# Altium PCB MB1936.PcbDoc (part 3 of 13) (continued)
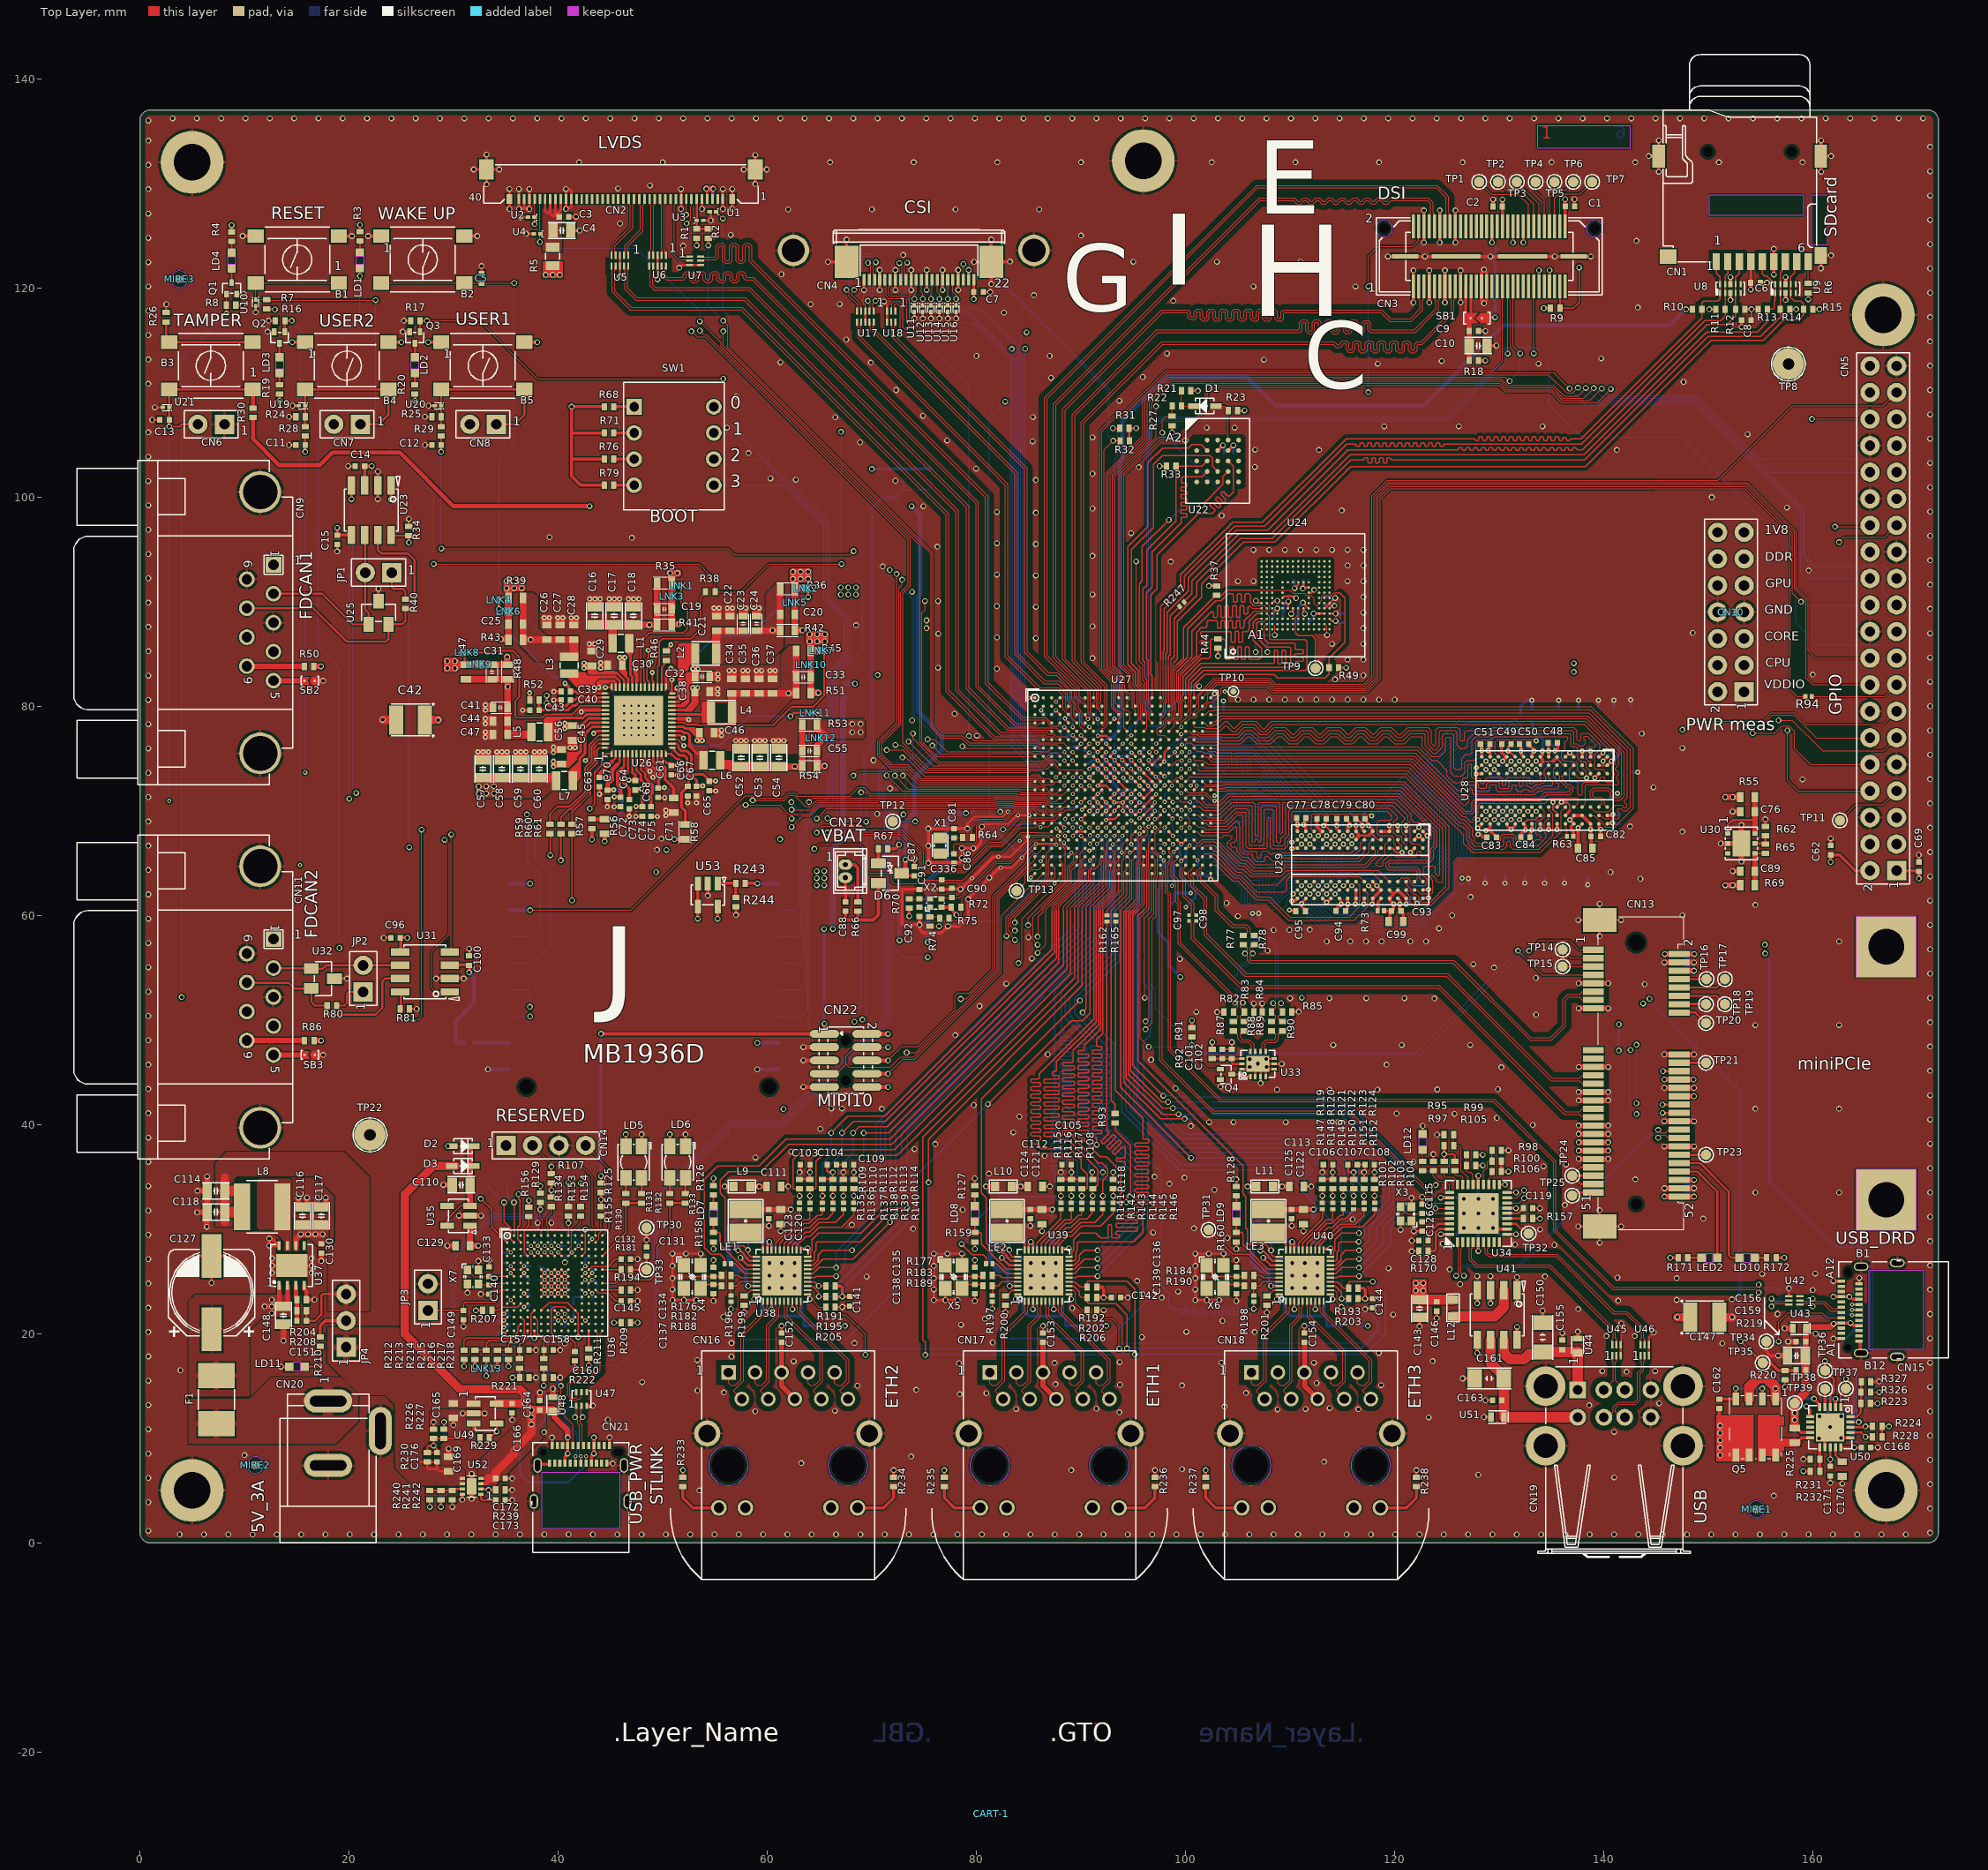
[diagram p0: Top Layer view]
## Footprints (in the part's own frame and the unit in brackets; to place one, negate y for a bottom-side part, rotate by r counter-clockwise, add the part's x,y. Pads: shape width x height; smd on the part's side, far side on the other; paste and mask are expansions set on the pad) (continued)
  body extent -0.85,-0.45 0.85,0.45, height 0.8
LED_0603_VISHAY_VLMS1300-GS08_RED_1A2K_H0P8 [mm]
  rect 0.8x0.8 smd mask+0.05: 1(-0.75,0) 2(0.75,0)
  Top Layer keep-out region: -0.35,-0.399 0.35,-0.399 0.35,0.401 -0.35,0.401
  body extent -0.85,-0.45 0.85,0.45, height 0.8
LED_BI-GR_WE-150141SV73110 [mm] "MCD-02631"
  rect 1.1x1.5 smd mask+0.05: 1(-0.75,1.5) 2(0.75,1.5) 3(-0.75,-1.5) 4(0.75,-1.5)
  silkscreen extent -1.65,-1.85 1.5,1.7, body extent -1.5,-1.85 1.5,1.85, height 2.1
LINK200#1 [mm]
  rect 0.2x0.35 smd paste-10 mask+0.05: 1(0,-0.225) 2(0,0.225)
LINK200#2 [mm]
  rect 0.8x0.35 smd paste-10 mask+0.05: 1(0,-0.225) 2(0,0.225)
MIRE_PLACE_SMD_0P8MM [mm]
  round 0.8 smd paste-10 mask+0.2: 1(0,0)
  Top Layer keep-out circle w0.01: c0,0 r0.804
MOS_SC89-3L [mm] "MCD-02221"
  rect 0.46x0.65 smd mask+0.05: 1(-0.5,-0.55) 2(0.5,-0.55) 3(0,0.55)
  silkscreen extent -0.85,-0.48 0.85,0.48, body extent -0.85,-0.85 0.85,0.85, height 0.85
MOS_SOT23-5L [mm]
  rect 0.6x1.3 smd mask+0.05: 1(-0.95,-1.1) 2(0,-1.1) 3(0.95,-1.1) 4(0.95,1.1) 5(-0.95,1.1)
  silkscreen extent -1.6,-0.95 1.6,0.97, body extent -1.52,-1.25 1.52,1.25, height 1.45
PowerFLAT_5x6 [mm] "MCD-02152"
  rect 0.65x1.25 smd mask+0.05: 1(1.905,2.675) 2(0.635,2.675) 3(-0.635,2.675) 4(-1.905,2.675) 5(-1.905,-2.675) 6(-0.635,-2.675) 7(0.635,-2.675) 8(1.905,-2.675)
  Top Layer region: 0.2,-3.3 0.95,-3.3 0.95,-2.75 1.575,-2.75 1.575,-3.3 2.3,-3.3 2.3,-2.3 2.7,-2.3 2.7,-1.5 2.3,-1.5 2.3,0.15 2.7,0.15 2.7,0.975 2.3,0.975 2.3,1.15 0.2,1.15
  Top Layer region: -0.2,-3.3 -0.95,-3.3 -0.95,-2.75 -1.575,-2.75 -1.575,-3.3 -2.3,-3.3 -2.3,-2.3 -2.7,-2.3 -2.7,-1.5 -2.3,-1.5 -2.3,0.15 -2.7,0.15 -2.7,0.975 -2.3,0.975 -2.3,1.15 -0.2,1.15
  silkscreen extent -2.5,-3 2.5,3, body extent -2.6,-3.08 2.6,3.07, height 1
PTC_BEL-FUSE_1812_0ZCG0260FF2C [mm]
  rect 2.4x3.5 smd mask+0.05: 1(-2.3,0) 2(2.3,0)
  silkscreen extent -1,-1.73 1,1.73, body extent -2.36,-1.71 2.36,1.71, height 1.2
R0201_H0P23 [mm] "MCD-00702"
  rect 0.4x0.5 smd mask+0.05: 1(-0.3,0) 2(0.3,0)
  body extent -0.32,-0.17 0.32,0.17, height 0.26
R0402 [mm]
  rect 0.51x0.7 smd mask+0.05: 1(-0.45,0) 2(0.45,0)
  body extent -0.52,-0.3 0.52,0.3, height 0.4
R0603 [mm]
  rect 0.64x1 smd mask+0.05: 1(-0.7,0) 2(0.7,0)
  silkscreen extent -1.05,-0.58 1.05,0.58, body extent -0.9,-0.5 0.9,0.5, height 0.56
R0805 [mm]
  rect 0.85x1.3 smd mask+0.05: 1(-0.875,0) 2(0.875,0)
  silkscreen extent -0.33,-0.67 0.33,0.67, body extent -1.05,-0.68 1.05,0.68, height 0.65
Sheetbox_6L2S [mil] "Sheetbox 6 layers / 2 silkscreens"
  round 20 on Mech16: 1(813.5,208.05) 1(2736.63,208.05)
SOCKET_MIKROBUS_MIKROE-4319_SMD_P254 [mm] "MCD-03517"
  round 0 hole 1.4 unplated mask+0.05: 0(-12,-10.55) 0(11.2,-10.55)
  rrect20% 3x1.3 smd mask+0.05: 1(-12.88,8.89) 2(-12.88,6.35) 3(-12.88,3.81) 4(-12.88,1.27) 5(-12.88,-1.27) 6(-12.88,-3.81) 7(-12.88,-6.35) 8(-12.88,-8.89) 9(12.88,-8.89) 10(12.88,-6.35) 11(12.88,-3.81) 12(12.88,-1.27) 13(12.88,1.27) 14(12.88,3.81) 15(12.88,6.35) 16(12.88,8.89)
  silkscreen extent -12.7,-12.72 12.7,10.16, body extent -13.72,-12.72 13.74,10.18, height 11.02
SOLDER-BRIDGE_R0402-0R [mil] "MCD-01619"
  round 10 smd paste-393.7: 1(-17.72,0) 2(20.67,0)
  Top Layer region: 1.48,13.78 8.37,0 1.48,-13.78 30.51,-13.78 30.51,13.78
  Top Layer region: -30.51,-13.78 -30.51,13.78 -8.37,13.78 -1.48,0 -8.37,-13.78
  silkscreen extent -33,-17 33,17, body extent -20,-12 20,12, height 14
SOLDER-BRIDGE_R0603-0R [mil]
  round 10 smd paste-393.7: 1(-19.68,0) 2(23.62,0)
  Top Layer region: -47.24,-19.68 -47.24,19.68 -15.75,19.68 3.94,0 -15.75,-19.68 -47.24,-19.68
  Top Layer region: -5.91,19.68 13.78,0 -5.91,-19.68 47.24,-19.68 47.24,19.68 -5.91,19.68
  silkscreen extent -50,-23 50,23, body extent -36,-20 36,20, height 22
SWI_GRAYHILL-INC_76SB04ST [mm] "MCD-02256"
  rect 1.5x1.5 hole 0.9 mask+0.05: 1(-3.75,-3.81)
  round 1.5 hole 0.9 mask+0.05: 2(-1.25,-3.81) 3(1.25,-3.81) 4(3.75,-3.81) 5(3.75,3.81) 6(1.25,3.81) 7(-1.25,3.81) 8(-3.75,3.81)
  silkscreen extent -6.1,-4.82 6.1,4.82, body extent -6.1,-4.83 6.1,4.82, height 6.9
SWI_KNITTER_TSS644S [mm] "MCD-02417"
  rect 1.55x1.3 smd mask+0.05: 1(-3.975,2.25) 2(3.975,2.25) 3(-3.975,-2.25) 4(3.975,-2.25)
  silkscreen extent -3.1,-3.1 3.1,3.1, body extent -4.5,-3.1 4.5,3.1, height 7.3
TP_PTH-1P02MM_TEST-TERMINAL_RS_101-2391_BLACK [mm] "MCD-00713"
  round 3 hole 1.1 mask+0.05: 1(0,0)
  silkscreen extent -1.62,-1.63 1.62,1.63, body extent -1.24,-1.25 1.25,1.25, height 4.85
TP_SMD_0-6MM [mm]
  round 0.6 smd paste-10 mask+0.05: 1(0,0)
  silkscreen extent -0.5,-0.5 0.5,0.5
TP_SMD_1MM [mm]
  round 1 smd paste-10 mask+0.05: 1(0,0)
  silkscreen extent -0.7,-0.7 0.7,0.7

## Part data
B1 B4 B5: library part MCD-02417, "Push Button, NO, 0.05A, 12V, 2.6N, SMD, 9.0x6.2mm, T=7.3mm, changeable caps KTSC-6xx", Alternate_Manufacturer=N/A, Manufacturer=KNITTER-SWITCH, Manufacturer_Part_Number=TSS644S, Package=9.0x6.2mm, Alternate_Manufacturer_Part_Number=N/A, Component_Country_Of_Origin=China, ComponentLink1URL=http://tunmcdsvn.tun.st.com/Component_Documentation_Library/Trunk/Misc/KNITTER_TSS6x_Series, ID=4523, Internal_Part_Number=MCD-02417, Order_Code_Digikey=N/A, Order_Code_Farnell=N/A, Order_Code_RS=N/A, Part_Preference=Recommended, Part_Type=Misc, ShowFields=YES, Status=Released
B2 B3: library part MCD-02417, "Push Button, NO, 0.05A, 12V, 2.6N, SMD, 9.0x6.2mm, T=7.3mm, changeable caps KTSC-6xx", Manufacturer=KNITTER-SWITCH, Manufacturer_Part_Number=TSS644S, Package=9.0x6.2mm, Component_Country_Of_Origin=China, ComponentLink1URL=http://tunmcdsvn.tun.st.com/Component_Documentation_Library/Trunk/Misc/KNITTER_TSS6x_Series, ID=4523, Internal_Part_Number=MCD-02417, Order_Code_Digikey=N/A, Order_Code_Farnell=N/A, Order_Code_RS=N/A, Part_Preference=Recommended, Part_Type=Misc, ShowFields=YES, Status=Released
C1 C2 C3 C9 C174: library part MCD-02352, "Capacitor, MLCC, 100nF, 10V, X5R, +/-10%, 0402, T=0,5mm", Manufacturer=YAGEO, Manufacturer_Part_Number=CC0402KRX5R6BB104, Package=0402, Component_Country_Of_Origin=China, ComponentLink1URL=http://tunmcdsvn.tun.st.com/Component_Documentation_Library/Trunk/Capacitor/YAGEO_X5R_Series, ID=4458, Internal_Part_Number=MCD-02352, Order_Code_Digikey=311-1336-2-ND, Order_Code_Farnell=2370637, Order_Code_RS=N/A, Part_Preference=Recommended, Part_Type=Capacitor, ShowFields=YES, Status=Checked
C4 C10 C143: library part MCD-00204, "Capacitor, MLCC, 47uF, 10V, X5R, +/-20%, 0805, T=1.25mm", Manufacturer=MURATA, Manufacturer_Part_Number=GRM21BR61A476ME15K, Package=0805, Component_Country_Of_Origin=Japan, ComponentLink1URL=http://tunmcdsvn.tun.st.com/Component_Documentation_Library/Trunk/Capacitor/MURATA_GRM_Series, ID=2664, Internal_Part_Number=MCD-00204, Order_Code_Digikey=GRM21BR61A476ME15K-ND, Order_Code_Farnell=N/A, Order_Code_RS=N/A, Part_Preference=Recommended, Part_Type=Capacitor, ShowFields=YES, Status=Checked
C5 C157 C158 C173: library part MCD-02198, "Capacitor, MLCC, 10nF, 50V, X7R, +/-10%, 0402, T=0.5mm", Manufacturer=YAGEO, Manufacturer_Part_Number=CC0402KRX7R9BB103, Package=0402, Component_Country_Of_Origin=China, ComponentLink1URL=http://tunmcdsvn.tun.st.com/Component_Documentation_Library/Trunk/Capacitor/YAGEO_X7R_Series, ID=4298, Internal_Part_Number=MCD-02198, Order_Code_Digikey=N/A, Order_Code_Farnell=N/A, Order_Code_RS=6169644, Part_Preference=Recommended, Part_Type=Capacitor, ShowFields=YES, Status=Checked
C6: library part MCD-01356, "Capacitor, MLCC, 4.7uF, 6V3, X5R, 20%, 0402, T=0,5mm", Alternate_Manufacturer=MURATA, Alternate_Manufacturer_Part_Number=GRM155R60J475ME87, Manufacturer_Part_Number=GRM155R60J475ME47, Package=0402, Component_Country_Of_Origin=Japan, ComponentLink1Description=Datasheet, ComponentLink1URL=http://tunmcdsvn.tun.st.com/Component_Documentation_Library/Trunk/Capacitor/MURATA_GRM_Series, ECCN_EU=NEC, ECCN_US=EAR99, ID=3456, Internal_Part_Number=MCD-01356, Manufacturer=MURATA, Order_Code_Digikey=490-5915-1-ND, Order_Code_Farnell=2666407, Order_Code_RS=814-5230, Part_Preference=Recommended, Part_Type=Capacitor, Provided_By=SUBCO, ShowFields=YES, Status=Released
C7: library part MCD-00095, "Capacitor, MLCC, 1uF, 25V, X5R, +/-10%, 0402, T=0,5mm", Alternate_Manufacturer=MURATA, Alternate_Manufacturer_Part_Number=GRM155R60J105KE19, Manufacturer_Part_Number=GRM155R61E105KA12, Package=C0402, ComponentLink1Description=Datasheet, ComponentLink1URL=http://tunmcdsvn.tun.st.com/Component_Datasheet_Library/Trunk/Capacitors/Murata_Capacitor_GR_series, Internal_Part_Number=MCD-00095, Manufacturer=MURATA, Order_Code_Digikey=490-10017-1-ND, Order_Code_Farnell=2218855, Order_Code_RS=846-7287, Part_Preference=Recommended, Part_Type=Capacitor, Status=Released
C8 C11 C12 C48 C49 C50 C51 C77 C78 C79 C80 C82 C83 C84 C93 C94 C95 C177 C179 C182 C184 C185 C186 C187 C189 C198 C202 C211 C226 C238 C239 C245 C247 C255 C256 C257 C258 C259 C261 C262 C264: library part MCD-00006, "Capacitor, MLCC, 100nF, 16V, X7R, +/-10%, 0402, T=0.5mm", Alternate_Manufacturer=MURATA, Alternate_Manufacturer_Part_Number=GCM155R71C104KA55D, Manufacturer=YAGEO, Manufacturer_Part_Number=CC0402KRX7R7BB104, Package=0402, ComponentLink1Description=Datasheet, ComponentLink1URL=http://tunmcdsvn.tun.st.com/Component_Documentation_Library/Trunk/Capacitor/YAGEO_X7R_Series, Internal_Part_Number=MCD-00006, Order_Code_Digikey=311-1338-1-ND, Order_Code_Farnell=9402047, Order_Code_RS=616-9701, Part_Preference=Recommended, Part_Type=Capacitor, Status=Released
  C8 C11 C12 C177 C179 C182: Component_Country_Of_Origin=China, ID=2474, ShowFields=YES
C13: library part MCD-00198, "Capacitor, MLCC, 1nF, 16V, X7R, +/-10%, 0402, T=0.5mm", Manufacturer=YAGEO, Manufacturer_Part_Number=CC0402KRX7R7BB102, Package=0402, Component_Country_Of_Origin=China, ComponentLink1URL=http://tunmcdsvn.tun.st.com/Component_Documentation_Library/Trunk/Capacitor/YAGEO_X7R_Series, ID=2665, Internal_Part_Number=MCD-00198, Order_Code_Digikey=311-1352-1-ND, Order_Code_Farnell=2370642, Order_Code_RS=N/A, Part_Preference=Recommended, Part_Type=Capacitor, ShowFields=YES, Status=Released
C14 C15 C62 C69 C96 C100 C101 C102 C119 C128 C146 C149 C155 C163 C175 C273 C275 C276 C281 C282 C283 C284 C285 C289 C290 C297 C298 C299 C303 C310 C311 C324 C325 C326 C327 C328 C329 C333 C334: library part MCD-00006, "Capacitor, MLCC, 100nF, 16V, X7R, +/-10%, 0402, T=0.5mm", Manufacturer=YAGEO, Manufacturer_Part_Number=CC0402KRX7R7BB104, Package=0402, Component_Country_Of_Origin=China, ComponentLink1URL=http://tunmcdsvn.tun.st.com/Component_Documentation_Library/Trunk/Capacitor/YAGEO_X7R_Series, ID=2474, Internal_Part_Number=MCD-00006, Order_Code_Digikey=311-1338-1-ND, Order_Code_Farnell=9402047, Order_Code_RS=616-9701, Part_Preference=Recommended, Part_Type=Capacitor, ShowFields=YES, Status=Released
C16 C17 C18 C52 C53 C54 C57 C58 C59 C60: library part MCD-03139, "Capacitor, MLCC, 22uF, 10V, X5R, +/-20%, 0805, T=1,25mm", Manufacturer=MURATA, Manufacturer_Part_Number=GRM21BR61A226ME51L, Package=0805, ComponentLink1URL=http://tunmcdsvn.tun.st.com/Component_Documentation_Library/Trunk/Capacitor/MURATA_GRM_Series, ID=5255, Internal_Part_Number=MCD-03139, Order_Code_Digikey=490-10511-2-ND, Order_Code_Farnell=2494270, Order_Code_RS=N/A, Part_Preference=Recommended, Part_Type=Capacitor, ShowFields=YES, Status=New
C19 C20 C21 C22 C23 C24 C25 C26 C27 C28 C31 C33 C34 C35 C36 C37 C41 C44 C47 C55: library part MCD-00100, "Capacitor, MLCC, 22uF, 6V3, X5R, +/-20%, 0603, T=0,8mm", Alternate_Manufacturer=N/A, Manufacturer=MURATA, Manufacturer_Part_Number=GRM188R60J226MEA0J, Package=0603, Alternate_Manufacturer_Part_Number=N/A, Component_Country_Of_Origin=Japan, ComponentLink1Description=Part_Information, ComponentLink1URL=http://tunmcdsvn.tun.st.com/Component_Documentation_Library/Trunk/Capacitor/MURATA_GRM_Series, ID=2766, Internal_Part_Number=MCD-00100, Order_Code_Digikey=490-7612-2-ND, Order_Code_Farnell=N/A, Order_Code_RS=N/A, Part_Preference=Recommended, Part_Type=Capacitor, ShowFields=YES, Status=Released
C29 C30 C32 C38 C45 C46 C56: library part MCD-00099, "Capacitor, MLCC, 10uF, 10V, X5R, +/-10%, 0603, T=0,8mm", Alternate_Manufacturer=N/A, Manufacturer=MURATA, Manufacturer_Part_Number=GRM188R61A106KE69D, Package=0603, Alternate_Manufacturer_Part_Number=N/A, Component_Country_Of_Origin=Japan, ComponentLink1Description=Part_Information, ComponentLink1URL=http://tunmcdsvn.tun.st.com/Component_Documentation_Library/Trunk/Capacitor/MURATA_GRM_Series, ID=2770, Internal_Part_Number=MCD-00099, Order_Code_Digikey=490-10474-1-ND, Order_Code_Farnell=2494233, Order_Code_RS=170-6168, Part_Preference=Recommended, Part_Type=Capacitor, ShowFields=YES, Status=Released
C39 C40 C176: library part MCD-03140, "Capacitor, MLCC, 10uF, 6.3V, X5R, +/-20%, 0402, T=0.5mm", Manufacturer=MURATA, Manufacturer_Part_Number=GRM155R60J106ME05D, Package=0402, ComponentLink1URL=http://tunmcdsvn.tun.st.com/Component_Documentation_Library/Trunk/Capacitor/MURATA_GRM_Series, ID=5256, Internal_Part_Number=MCD-03140, Order_Code_Digikey=490-GRM155R60J106ME05DTR-ND, Order_Code_Farnell=3784428, Order_Code_RS=N/A, Part_Preference=Recommended, Part_Type=Capacitor, ShowFields=YES
  C39 C40: Status=New
  C176: Component_Country_Of_Origin="China, Japan", Status=Released
C42 C147: library part MCD-01796, "Capacitor, Tantalum, 100uF, 6V3, 40mR, +/-20%,  Type_B (3528 metric), T=1.9mm", Manufacturer=AVX, Manufacturer_Part_Number=TCJB107M006R0040, Package="3528 (metric)", Component_Country_Of_Origin=Lanskroun, ComponentLink1URL=http://tunmcdsvn.tun.st.com/Component_Documentation_Library/Trunk/Capacitor/AVX_TCJ_Series, ID=3896, Internal_Part_Number=MCD-01796, Order_Code_Digikey=478-9994-2-ND, Order_Code_Farnell=2728622, Order_Code_RS=N/A, Part_Preference=Recommended, Part_Type=Capacitor, Revision="July-2002: Re-released for DXP Platform.", ShowFields=YES, Status=Released
C43: library part MCD-01722, "Capacitor, MLCC, 1uF, 10V, X5R, +/-10%, 0402, T=0.5mm", Alternate_Manufacturer=N/A, Manufacturer=YAGEO, Manufacturer_Part_Number=CC0402KRX5R6BB105, Package=0402, Alternate_Manufacturer_Part_Number=N/A, Component_Country_Of_Origin=China, ComponentLink1URL=http://tunmcdsvn.tun.st.com/Component_Documentation_Library/Trunk/Capacitor/YAGEO_X5R_Series, ID=3822, Internal_Part_Number=MCD-01722, Order_Code_Digikey=311-1439-1-ND, Order_Code_Farnell=1458896, Order_Code_RS=N/A, Part_Preference=Recommended, Part_Type=Capacitor, ShowFields=YES, Status=Released
C61 C63 C65 C66 C68 C72 C73 C74 C75 C277 C335: library part MCD-01356, "Capacitor, MLCC, 4.7uF, 6V3, X5R, +/-20%, 0402, T=0.5mm", Manufacturer=MURATA, Manufacturer_Part_Number=GRM155R60J475ME47, Package=0402, Component_Country_Of_Origin=Japan, ComponentLink1URL=http://tunmcdsvn.tun.st.com/Component_Documentation_Library/Trunk/Capacitor/MURATA_GRM_Series, ID=3456, Internal_Part_Number=MCD-01356, Order_Code_Digikey=490-5915-1-ND, Order_Code_Farnell=2666407, Order_Code_RS=814-5230, Part_Preference=Recommended, Part_Type=Capacitor, ShowFields=YES, Status=Released
C64 C67 C70: library part MCD-00095, "Capacitor, MLCC, 1uF, 25V, X5R, +/-10%, 0402, T=0.5mm", Manufacturer=MURATA, Manufacturer_Part_Number=GRM155R61E105KA12, Package=0402, Component_Country_Of_Origin=Japan, ComponentLink1URL=http://tunmcdsvn.tun.st.com/Component_Documentation_Library/Trunk/Capacitor/MURATA_GRM_Series, ID=2772, Internal_Part_Number=MCD-00095, Order_Code_Digikey=490-10017-1-ND, Order_Code_Farnell=2218855, Order_Code_RS=846-7287, Part_Preference=Recommended, Part_Type=Capacitor, ShowFields=YES, Status=Released
C71: library part MCD-00097, "Capacitor, MLCC, 4.7uF, 16V, X5R, +/-20%, 0603, T=0.8mm", Manufacturer=MURATA, Manufacturer_Part_Number=GRM188R61C475KE11, Package=0603, Component_Country_Of_Origin=Japan, ComponentLink1URL=http://tunmcdsvn.tun.st.com/Component_Documentation_Library/Trunk/Capacitor/MURATA_GRM_Series, ID=2767, Internal_Part_Number=MCD-00097, Order_Code_Digikey=490-10730-1-ND, Order_Code_Farnell=N/A, Order_Code_RS=N/A, Part_Preference=Recommended, Part_Type=Capacitor, ShowFields=YES, Status=Released
C76 C89 C129 C165 C169 C183 C254: library part MCD-00099, "Capacitor, MLCC, 10uF, 10V, X5R, +/-10%, 0603, T=0.8mm", Manufacturer=MURATA, Manufacturer_Part_Number=GRM188R61A106KE69D, Package=0603, ComponentLink1URL=http://tunmcdsvn.tun.st.com/Component_Documentation_Library/Trunk/Capacitor/MURATA_GRM_Series, ID=2770, Internal_Part_Number=MCD-00099, Order_Code_Digikey=490-10474-1-ND, Order_Code_Farnell=2494233, Part_Preference=Recommended, Part_Type=Capacitor, ShowFields=YES, Status=Released
  C76 C89 C129 C165 C169: Component_Country_Of_Origin=Japan, Order_Code_RS=170-6168
  C183 C254: Component_Country_Of_Origin=Japan°°, Order_Code_RS=2494233, Partial_Alternate_Internal_Part_Number=MCD-03152
C81 C86 C90 C92: library part MCD-00674, "Capacitor, MLCC, 6.8pF, 50V, NPO, +-0.25pF, 0402, T=0.5mm", Alternate_Manufacturer=N/A, Manufacturer=YAGEO, Manufacturer_Part_Number=CC0402CRNPO9BN6R8, Package=0402, Alternate_Manufacturer_Part_Number=N/A, Component_Country_Of_Origin=China, ComponentLink1Description=Datasheet, ComponentLink1URL=http://tunmcdsvn.tun.st.com/Component_Documentation_Library/Trunk/Capacitor/YAGEO_NP0_Series, ID=3068, Initial_Board_Reference=MB1319, Internal_Part_Number=MCD-00674, Order_Code_Digikey=311-3327-1-ND, Order_Code_Farnell=N/A, Order_Code_RS=N/A, Part_Preference=Recommended, Part_Type=Capacitor, Provided_By=SUBCO, ShowFields=YES, Status=Released
  C81 C86: Item Type=Item, Path=ws/MCD_ApplicationBoards/Lists/MCDPARTSdatabase
  C90 C92: ECCN_EU=n/a, ECCN_US=n/a
C85 C99 C188 C236: library part MCD-01341, "Capacitor, MLCC, 10uF, 6V3, X5R, +/-20%, 0603, T=0,8mm", Alternate_Manufacturer=MURATA, Alternate_Manufacturer_Part_Number=GRM188R60J106ME84D, Manufacturer_Part_Number=GRM188R60J106ME47D, Package=0603, ComponentLink1URL=http://tunmcdsvn.tun.st.com/Component_Documentation_Library/Trunk/Capacitor/MURATA_GRM_Series, Internal_Part_Number=MCD-01341, Manufacturer=MURATA, Order_Code_Digikey=490-3896-1-ND, Order_Code_Farnell=1735528, Order_Code_RS=N/A, Part_Preference=Recommended, Part_Type=Capacitor, Status=Released
C87 C103 C104 C105 C106 C107 C108 C109 C123 C124 C125 C141 C142 C144 C152 C153 C154 C270 C271 C291 C292 C293 C294 C295 C296 C304 C305 C306 C307 C308 C309 C312 C313 C314 C315 C316 C317 C318 C319 C320 C321 C322 C323: library part MCD-00006, "Capacitor,100nF,16V,X7R,10%,0402", Alternate_Manufacturer=MURATA, Alternate_Manufacturer_Part_Number=GCM155R71C104KA55D, Manufacturer=YAGEO, Manufacturer_Part_Number=CC0402KRX7R7BB104, Package=0402, Component_Country_Of_Origin=China, ComponentLink1Description=Datasheet, ComponentLink1URL=http://tunmcdsvn.tun.st.com/Component_Documentation_Library/Trunk/Capacitor/YAGEO_X7R_Series, ECCN_EU=n/a, ECCN_US=n/a, ID=2474, Internal_Part_Number=MCD-00006, Order_Code_Digikey=311-1338-1-ND, Order_Code_Farnell=9402047, Order_Code_RS=616-9701, Part_Preference=Recommended, Part_Type=Capacitor, Provided_By=SUBCO, ShowFields=YES, Status=Released
  C87: Alternate_EMS=M, Initial_Board_Reference=MB1274, Partial_Alternate_Internal_Part_Number=MCD-03299
  C103 C104 C105 C106 C107 C108 C109 C123 C124 C125 C141 C142 C144 C152 C153 C154 C270 C271 C291 C292 C293 C294 C295 C296 C304 C305 C306 C307 C308 C309 C312 C313 C314 C315 C316 C317 C318 C319 C320 C321 C322 C323: Initial_Board_Reference=mb1274
C88: library part MCD-01823, "Capacitor, MLCC, 2.2uF, 6V3, X5R,+/-10%, 0402, T=0.5mm", Alternate_Manufacturer=N/A, Manufacturer=MURATA, Manufacturer_Part_Number=GRM155R60J225KE95D, Package=0402, Alternate_Manufacturer_Part_Number=N/A, Component_Country_Of_Origin=Japan, ComponentLink1URL=http://tunmcdsvn.tun.st.com/Component_Documentation_Library/Trunk/Capacitor/MURATA_GRM_Series, ID=3923, Internal_Part_Number=MCD-01823, Order_Code_Digikey=490-12532-1-ND, Order_Code_Farnell=2695865, Order_Code_RS=172-6478, Part_Preference=Recommended, Part_Type=Capacitor, ShowFields=YES, Status=Released
C91: library part MCD-00011, "Capacitor, MLCC, 10nF, 16V, X7R, 10%, 0402, T=0.5mm", Alternate_Manufacturer=N/A, Manufacturer=YAGEO, Manufacturer_Part_Number=CC0402KRX7R7BB103, Package=0402, Alternate_Manufacturer_Part_Number=N/A, Component_Country_Of_Origin=China, ComponentLink1Description=Datasheet, ComponentLink1URL=http://tunmcdsvn.tun.st.com/Component_Documentation_Library/Trunk/Capacitor/YAGEO_X7R_Series, ECCN_EU=n/a, ECCN_US=n/a, ID=2469, Initial_Board_Reference=MB1274, Internal_Part_Number=MCD-00011, Order_Code_Digikey=311-1042-1-ND, Order_Code_Farnell=3019275, Order_Code_RS=669-8688, Part_Preference=Recommended, Part_Type=Capacitor, Provided_By=SUBCO, ShowFields=YES, Status=Released